# Altium PCB RFSoC-AMC.PcbDoc (part 12 of 12)
Units mm, origin at the board's own origin, x right, y up, seen from the top; angles counter-clockwise.
Board outline 180.55 x 148.45 mm, 10 copper layers (Layer 1, Layer 2, Layer 3, Layer 4, Layer 5, Layer 6, Layer 7, Layer 8, Layer 9, Layer 10), stack 1.544 mm thick; 793 components, 796 nets, 7654 pads, 16 vias.
Unrouted connection lines stored in the file: 2880.
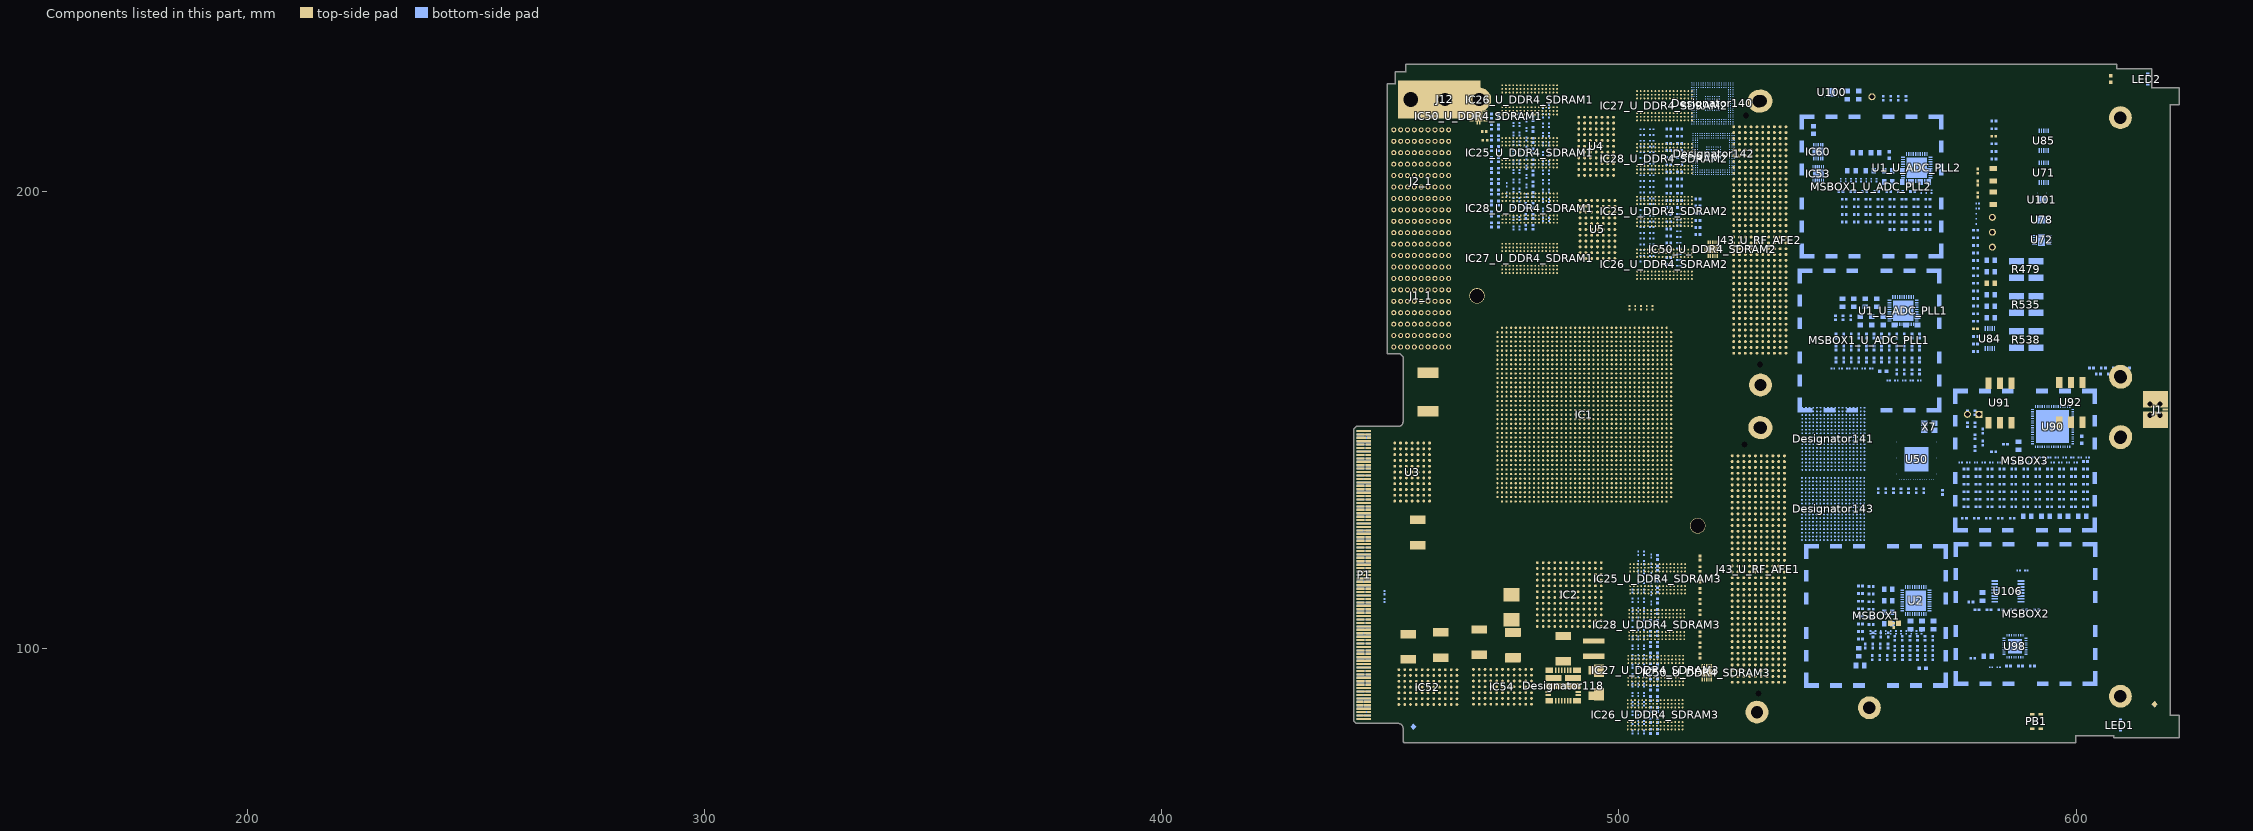
[diagram p20: the components of this part, seen from the top]

## Silkscreen, mask and mechanical layers (free items; w line width, h text height) (continued)
Drill Drawing: (continued)
  text "Rnd 0.203" at 282.113,57.785 h1.27
  text "1771" at 307.925,57.785 h1.27
  text "D" at 190.45,55.245 h1.27
  text "Yes" at 250.106,55.245 h1.27
  text "No" at 264.717,55.245 h1.27
  text "Rnd 0.3" at 283.367,55.245 h1.27
  text "822" at 308.529,55.245 h1.27
  text "E" at 190.45,52.705 h1.27
  text "Yes" at 250.106,52.705 h1.27
  text "No" at 264.717,52.705 h1.27
  text "Rnd 23.62" at 282.113,52.705 h1.27
  text "294" at 308.525,52.705 h1.27
  text "F" at 190.45,50.165 h1.27
  text "+/- 0.0030" at 228.175,50.165 h1.27
  text "Yes" at 250.106,50.165 h1.27
  text "No" at 264.717,50.165 h1.27
  text "Rnd 0.7 +/-Tol 0.07" at 276.285,50.165 h1.27
  text "92" at 309.167,50.165 h1.27
  text "G" at 190.45,47.625 h1.27
  text "Yes" at 250.106,47.625 h1.27
  text "No" at 264.717,47.625 h1.27
  text "Rnd 31.5" at 282.761,47.625 h1.27
  text "24" at 309.167,47.625 h1.27
  text "H" at 190.45,45.085 h1.27
  text "Yes" at 250.106,45.085 h1.27
  text "No" at 264.717,45.085 h1.27
  text "Rnd 39.37" at 282.113,45.085 h1.27
  text "16" at 309.178,45.085 h1.27
  text "J" at 190.45,42.545 h1.27
  text "Yes" at 250.106,42.545 h1.27
  text "No" at 264.717,42.545 h1.27
  text "Rnd 43.31" at 282.134,42.545 h1.27
  text "9" at 309.83,42.545 h1.27
  text "K" at 190.45,40.005 h1.27
  text "Yes" at 250.106,40.005 h1.27
  text "No" at 264.717,40.005 h1.27
  text "Rnd 53.15" at 282.134,40.005 h1.27
  text "4" at 309.83,40.005 h1.27
  text "L" at 190.45,37.465 h1.27
  text "Yes" at 250.106,37.465 h1.27
  text "No" at 264.717,37.465 h1.27
  text "Rnd 59.06" at 282.113,37.465 h1.27
  text "2" at 309.83,37.465 h1.27
  text "M" at 190.45,34.925 h1.27
  text "+/- 0.0039" at 228.175,34.925 h1.27
  text "Yes" at 250.106,34.925 h1.27
  text "No" at 264.717,34.925 h1.27
  text "Rnd 2.55P" at 282.113,34.925 h1.27
  text "20" at 309.167,34.925 h1.27
  text "N" at 190.45,32.385 h1.27
  text "0.1201" at 206.431,32.385 h1.27
  text "+/- 0.0039" at 228.175,32.385 h1.27
  text "Yes" at 250.106,32.385 h1.27
  text "No" at 264.717,32.385 h1.27
  text "Rnd 3.05P" at 282.113,32.385 h1.27
  text "1" at 309.83,32.385 h1.27
  text "P" at 190.45,29.845 h1.27
  text "0.1260" at 206.411,29.845 h1.27
  text "Yes" at 250.106,29.845 h1.27
  text "No" at 264.717,29.845 h1.27
  text "Rnd 125.98" at 281.512,29.845 h1.27
  text "3" at 309.83,29.845 h1.27
  text "R" at 190.45,27.305 h1.27
  text "0.0256" at 206.392,27.305 h1.27
  text "No" at 250.747,27.305 h1.27
  text "No" at 264.717,27.305 h1.27
  text "Rnd 25.59 Non-Plated" at 275.4,27.305 h1.27
  text "1" at 309.83,27.305 h1.27
  text "T" at 190.45,24.765 h1.27
  text "0.0335" at 206.392,24.765 h1.27
  text "No" at 250.747,24.765 h1.27
  text "No" at 264.717,24.765 h1.27
  text "Rnd 33.46 Non-Plated" at 275.4,24.765 h1.27
  text "1" at 309.83,24.765 h1.27
  text "U" at 190.45,22.225 h1.27
  text "0.0354" at 206.392,22.225 h1.27
  text "No" at 250.747,22.225 h1.27
  text "No" at 264.717,22.225 h1.27
  text "V" at 190.45,19.685 h1.27
  text "0.0800" at 206.397,19.685 h1.27
  text "No" at 250.747,19.685 h1.27
  text "No" at 264.717,19.685 h1.27
  text "W" at 190.45,17.145 h1.27
  text "0.1299" at 206.411,17.145 h1.27
  text "+/- 0.0039" at 228.175,17.145 h1.27
  text "No" at 250.747,17.145 h1.27
  text "No" at 264.717,17.145 h1.27
  text "X" at 190.45,14.605 h1.27
  text "0.0630" at 206.392,14.605 h1.27
  text "Yes" at 250.106,14.605 h1.27
  text "No" at 264.717,14.605 h1.27
Bottom Assembly:
  lines w0.1: 311.379,72.894 311.379,74.394 ; 311.379,72.894 321.629,72.894 ; 311.379,72.894 311.379,74.394 ; 311.379,72.894 321.629,72.894 ; 311.379,74.394 321.629,74.394 ; 311.379,74.394 321.629,74.394 ; 321.629,72.894 321.629,74.394 ; 321.629,72.894 321.629,74.394

## Text inside footprints (layer, text, board x,y; h text height)
Designator141: RTM_CON "18" at 554.719,152.954 h0.6 r180; RTM_CON "17" at 554.719,152.154 h0.6 r180; RTM_CON "16" at 554.719,151.354 h0.6 r180; RTM_CON "15" at 554.719,150.554 h0.6 r180; RTM_CON "14" at 554.719,149.754 h0.6 r180; RTM_CON "13" at 554.719,148.954 h0.6 r180; RTM_CON "12" at 554.719,148.154 h0.6 r180; RTM_CON "11" at 554.719,147.354 h0.6 r180; RTM_CON "10" at 554.719,146.554 h0.6 r180; RTM_CON "9" at 554.719,145.754 h0.6 r180; RTM_CON "8" at 554.719,144.954 h0.6 r180; RTM_CON "7" at 554.719,144.154 h0.6 r180; RTM_CON "6" at 554.719,143.354 h0.6 r180; RTM_CON "5" at 554.719,142.554 h0.6 r180; RTM_CON "4" at 554.719,141.754 h0.6 r180; RTM_CON "3" at 554.719,140.954 h0.6 r180; RTM_CON "2" at 554.719,140.154 h0.6 r180; RTM_CON "1" at 554.719,139.354 h0.6 r180; RTM_CON "A" at 553.419,137.604 h0.6 r270; RTM_CON "B" at 552.619,137.604 h0.6 r270; RTM_CON "C" at 551.819,137.604 h0.6 r270; RTM_CON "D" at 551.019,137.604 h0.6 r270; RTM_CON "E" at 550.219,137.604 h0.6 r270; RTM_CON "F" at 549.419,137.604 h0.6 r270; RTM_CON "G" at 548.619,137.604 h0.6 r270; RTM_CON "H" at 547.819,137.604 h0.6 r270; RTM_CON "J" at 547.019,137.604 h0.6 r270; RTM_CON "K" at 546.219,137.604 h0.6 r270; RTM_CON "L" at 545.419,137.604 h0.6 r270; RTM_CON "M" at 544.619,137.604 h0.6 r270; RTM_CON "N" at 543.819,137.604 h0.6 r270; RTM_CON "P" at 543.019,137.604 h0.6 r270; RTM_CON "R" at 542.219,137.604 h0.6 r270; RTM_CON "T" at 541.419,137.604 h0.6 r270; RTM_CON "U" at 540.619,137.604 h0.6 r270; RTM_CON "V" at 539.819,137.604 h0.6 r270
Designator143: RTM_CON "18" at 554.662,137.606 h0.6 r180; RTM_CON "17" at 554.662,136.806 h0.6 r180; RTM_CON "16" at 554.662,136.006 h0.6 r180; RTM_CON "15" at 554.662,135.206 h0.6 r180; RTM_CON "14" at 554.662,134.406 h0.6 r180; RTM_CON "13" at 554.662,133.606 h0.6 r180; RTM_CON "12" at 554.662,132.806 h0.6 r180; RTM_CON "11" at 554.662,132.006 h0.6 r180; RTM_CON "10" at 554.662,131.206 h0.6 r180; RTM_CON "9" at 554.662,130.406 h0.6 r180; RTM_CON "8" at 554.662,129.606 h0.6 r180; RTM_CON "7" at 554.662,128.806 h0.6 r180; RTM_CON "6" at 554.662,128.006 h0.6 r180; RTM_CON "5" at 554.662,127.206 h0.6 r180; RTM_CON "4" at 554.662,126.406 h0.6 r180; RTM_CON "3" at 554.662,125.606 h0.6 r180; RTM_CON "2" at 554.662,124.806 h0.6 r180; RTM_CON "1" at 554.662,124.006 h0.6 r180; RTM_CON "A" at 553.362,122.256 h0.6 r270; RTM_CON "B" at 552.562,122.256 h0.6 r270; RTM_CON "C" at 551.762,122.256 h0.6 r270; RTM_CON "D" at 550.962,122.256 h0.6 r270; RTM_CON "E" at 550.162,122.256 h0.6 r270; RTM_CON "F" at 549.362,122.256 h0.6 r270; RTM_CON "G" at 548.562,122.256 h0.6 r270; RTM_CON "H" at 547.762,122.256 h0.6 r270; RTM_CON "J" at 546.962,122.256 h0.6 r270; RTM_CON "K" at 546.162,122.256 h0.6 r270; RTM_CON "L" at 545.362,122.256 h0.6 r270; RTM_CON "M" at 544.562,122.256 h0.6 r270; RTM_CON "N" at 543.762,122.256 h0.6 r270; RTM_CON "P" at 542.962,122.256 h0.6 r270; RTM_CON "R" at 542.162,122.256 h0.6 r270; RTM_CON "T" at 541.362,122.256 h0.6 r270; RTM_CON "U" at 540.562,122.256 h0.6 r270; RTM_CON "V" at 539.762,122.256 h0.6 r270
IC1: RTM_CON "17" at 495.186,130.694 h0.6 r270; RTM_CON "22" at 490.236,130.694 h0.6 r270; RTM_CON "21" at 491.186,130.694 h0.6 r270; RTM_CON "20" at 492.186,130.694 h0.6 r270; RTM_CON "19" at 493.186,130.694 h0.6 r270; RTM_CON "18" at 494.186,130.694 h0.6 r270; RTM_CON "1" at 511.186,130.694 h0.6 r270; RTM_CON "6" at 506.186,130.694 h0.6 r270; RTM_CON "7" at 505.186,130.694 h0.6 r270; RTM_CON "8" at 504.186,130.694 h0.6 r270; RTM_CON "9" at 503.186,130.694 h0.6 r270; RTM_CON "10" at 502.186,130.694 h0.6 r270; RTM_CON "11" at 501.186,130.694 h0.6 r270; RTM_CON "12" at 500.186,130.694 h0.6 r270; RTM_CON "13" at 499.186,130.694 h0.6 r270; RTM_CON "14" at 498.186,130.694 h0.6 r270; RTM_CON "15" at 497.186,130.694 h0.6 r270; RTM_CON "16" at 496.186,130.694 h0.6 r270; RTM_CON "5" at 507.186,130.694 h0.6 r270; RTM_CON "4" at 508.186,130.694 h0.6 r270; RTM_CON "3" at 509.186,130.694 h0.6 r270; RTM_CON "2" at 510.186,130.694 h0.6 r270; RTM_CON "23" at 489.236,130.694 h0.6 r270; RTM_CON "24" at 488.236,130.694 h0.6 r270; RTM_CON "25" at 487.236,130.694 h0.6 r270; RTM_CON "26" at 486.236,130.694 h0.6 r270; RTM_CON "27" at 485.236,130.694 h0.6 r270; RTM_CON "28" at 484.236,130.694 h0.6 r270; RTM_CON "29" at 483.236,130.694 h0.6 r270; RTM_CON "30" at 482.236,130.694 h0.6 r270; RTM_CON "31" at 481.236,130.694 h0.6 r270; RTM_CON "32" at 480.236,130.694 h0.6 r270; RTM_CON "33" at 479.236,130.694 h0.6 r270; RTM_CON "34" at 478.236,130.694 h0.6 r270; RTM_CON "35" at 477.236,130.694 h0.6 r270; RTM_CON "36" at 476.236,130.694 h0.6 r270; RTM_CON "37" at 475.236,130.694 h0.6 r270; RTM_CON "38" at 474.236,130.694 h0.6 r270; RTM_CON "39" at 473.236,130.694 h0.6 r270; RTM_CON "AP" at 513.836,165.494 h0.6 r180; RTM_CON "AN" at 513.836,164.494 h0.6 r180; RTM_CON "AM" at 513.836,163.494 h0.6 r180; RTM_CON "AL" at 513.836,162.494 h0.6 r180; RTM_CON "AK" at 513.836,161.494 h0.6 r180; RTM_CON "AJ" at 513.836,160.494 h0.6 r180; RTM_CON "AH" at 513.836,159.494 h0.6 r180; RTM_CON "AG" at 513.836,158.494 h0.6 r180; RTM_CON "AF" at 513.836,157.494 h0.6 r180; RTM_CON "AE" at 513.836,156.494 h0.6 r180; RTM_CON "AD" at 513.836,155.494 h0.6 r180; RTM_CON "AC" at 513.836,154.494 h0.6 r180; RTM_CON "A" at 513.336,132.494 h0.6 r180; RTM_CON "B" at 513.336,133.494 h0.6 r180; RTM_CON "C" at 513.336,134.494 h0.6 r180; RTM_CON "D" at 513.336,135.494 h0.6 r180; RTM_CON "E" at 513.336,136.494 h0.6 r180; RTM_CON "F" at 513.336,137.494 h0.6 r180; RTM_CON "G" at 513.336,138.494 h0.6 r180; RTM_CON "H" at 513.336,139.494 h0.6 r180; RTM_CON "J" at 513.336,140.494 h0.6 r180; RTM_CON "K" at 513.336,141.494 h0.6 r180; RTM_CON "L" at 513.336,142.494 h0.6 r180; RTM_CON "M" at 513.336,143.494 h0.6 r180; RTM_CON "N" at 513.336,144.494 h0.6 r180; RTM_CON "P" at 513.336,145.494 h0.6 r180; RTM_CON "R" at 513.336,146.494 h0.6 r180; RTM_CON "T" at 513.336,147.494 h0.6 r180; RTM_CON "U" at 513.336,148.494 h0.6 r180; RTM_CON "V" at 513.336,149.494 h0.6 r180; RTM_CON "W" at 513.336,150.494 h0.6 r180; RTM_CON "Y" at 513.336,151.494 h0.6 r180; RTM_CON "AA" at 513.836,152.494 h0.6 r180; RTM_CON "AB" at 513.836,153.494 h0.6 r180; RTM_CON "AR" at 513.836,166.494 h0.6 r180; RTM_CON "AT" at 513.836,167.494 h0.6 r180; RTM_CON "AU" at 513.836,168.494 h0.6 r180; RTM_CON "AV" at 513.836,169.494 h0.6 r180; RTM_CON "AW" at 513.836,170.494 h0.6 r180
IC2: RTM_CON "9" at 492.201,120.083 h0.4; RTM_CON "1" at 482.041,120.083 h0.4; RTM_CON "2" at 483.311,120.083 h0.4; RTM_CON "3" at 484.581,120.083 h0.4; RTM_CON "4" at 485.851,120.083 h0.4; RTM_CON "5" at 487.121,120.083 h0.4; RTM_CON "6" at 488.391,120.083 h0.4; RTM_CON "7" at 489.661,120.083 h0.4; RTM_CON "8" at 490.931,120.083 h0.4; RTM_CON "10" at 493.471,120.083 h0.4; RTM_CON "11" at 494.741,120.083 h0.4; RTM_CON "12" at 496.011,120.083 h0.4; RTM_CON "F" at 480.652,112.344 h0.4; RTM_CON "E" at 480.652,113.614 h0.4; RTM_CON "D" at 480.652,114.884 h0.4; RTM_CON "G" at 480.652,111.074 h0.4; RTM_CON "C" at 480.652,116.154 h0.4; RTM_CON "B" at 480.652,117.424 h0.4; RTM_CON "A" at 480.652,118.694 h0.4; RTM_CON "H" at 480.652,109.804 h0.4; RTM_CON "I" at 480.727,108.534 h0.4; RTM_CON "J" at 480.598,107.239 h0.4; RTM_CON "K" at 480.598,105.969 h0.4; RTM_CON "L" at 480.598,104.699 h0.4
IC25_U_DDR4_SDRAM1: RTM_CON "T" at 486.693,203.373 h0.4 r90; RTM_CON "J" at 481.093,203.373 h0.4 r90; RTM_CON "R" at 485.893,203.373 h0.4 r90; RTM_CON "P" at 485.093,203.373 h0.4 r90; RTM_CON "N" at 484.293,203.373 h0.4 r90; RTM_CON "B" at 475.493,203.373 h0.4 r90; RTM_CON "C" at 476.293,203.373 h0.4 r90; RTM_CON "D" at 477.093,203.373 h0.4 r90; RTM_CON "E" at 477.893,203.373 h0.4 r90; RTM_CON "F" at 478.693,203.373 h0.4 r90; RTM_CON "G" at 479.493,203.373 h0.4 r90; RTM_CON "H" at 480.293,203.373 h0.4 r90; RTM_CON "M" at 483.493,203.373 h0.4 r90; RTM_CON "K" at 481.893,203.373 h0.4 r90; RTM_CON "L" at 482.693,203.373 h0.4 r90; RTM_CON "9" at 473.218,211.548 h0.4 r90; RTM_CON "8" at 473.218,210.748 h0.4 r90; RTM_CON "7" at 473.218,209.948 h0.4 r90; RTM_CON "3" at 473.218,206.748 h0.4 r90; RTM_CON "2" at 473.218,205.948 h0.4 r90; RTM_CON "1" at 473.218,205.148 h0.4 r90
IC25_U_DDR4_SDRAM2: RTM_CON "T" at 516.18,190.541 h0.4 r90; RTM_CON "J" at 510.58,190.541 h0.4 r90; RTM_CON "R" at 515.38,190.541 h0.4 r90; RTM_CON "P" at 514.58,190.541 h0.4 r90; RTM_CON "N" at 513.78,190.541 h0.4 r90; RTM_CON "B" at 504.98,190.541 h0.4 r90; RTM_CON "C" at 505.78,190.541 h0.4 r90; RTM_CON "D" at 506.58,190.541 h0.4 r90; RTM_CON "E" at 507.38,190.541 h0.4 r90; RTM_CON "F" at 508.18,190.541 h0.4 r90; RTM_CON "G" at 508.98,190.541 h0.4 r90; RTM_CON "H" at 509.78,190.541 h0.4 r90; RTM_CON "M" at 512.98,190.541 h0.4 r90; RTM_CON "K" at 511.38,190.541 h0.4 r90; RTM_CON "L" at 512.18,190.541 h0.4 r90; RTM_CON "9" at 502.705,198.716 h0.4 r90; RTM_CON "8" at 502.705,197.916 h0.4 r90; RTM_CON "7" at 502.705,197.116 h0.4 r90; RTM_CON "3" at 502.705,193.916 h0.4 r90; RTM_CON "2" at 502.705,193.116 h0.4 r90; RTM_CON "1" at 502.705,192.316 h0.4 r90
IC25_U_DDR4_SDRAM3: RTM_CON "T" at 502.288,120.391 h0.4 r270; RTM_CON "J" at 507.888,120.391 h0.4 r270; RTM_CON "R" at 503.088,120.391 h0.4 r270; RTM_CON "P" at 503.888,120.391 h0.4 r270; RTM_CON "N" at 504.688,120.391 h0.4 r270; RTM_CON "B" at 513.488,120.391 h0.4 r270; RTM_CON "C" at 512.688,120.391 h0.4 r270; RTM_CON "D" at 511.888,120.391 h0.4 r270; RTM_CON "E" at 511.088,120.391 h0.4 r270; RTM_CON "F" at 510.288,120.391 h0.4 r270; RTM_CON "G" at 509.488,120.391 h0.4 r270; RTM_CON "H" at 508.688,120.391 h0.4 r270; RTM_CON "M" at 505.488,120.391 h0.4 r270; RTM_CON "K" at 507.088,120.391 h0.4 r270; RTM_CON "L" at 506.288,120.391 h0.4 r270; RTM_CON "9" at 515.763,112.216 h0.4 r270; RTM_CON "8" at 515.763,113.016 h0.4 r270; RTM_CON "7" at 515.763,113.816 h0.4 r270; RTM_CON "3" at 515.763,117.016 h0.4 r270; RTM_CON "2" at 515.763,117.816 h0.4 r270; RTM_CON "1" at 515.763,118.616 h0.4 r270
IC26_U_DDR4_SDRAM1: RTM_CON "1" at 473.218,216.706 h0.4 r90; RTM_CON "2" at 473.218,217.506 h0.4 r90; RTM_CON "3" at 473.218,218.306 h0.4 r90; RTM_CON "7" at 473.218,221.506 h0.4 r90; RTM_CON "8" at 473.218,222.306 h0.4 r90; RTM_CON "9" at 473.218,223.106 h0.4 r90; RTM_CON "L" at 482.693,214.931 h0.4 r90; RTM_CON "K" at 481.893,214.931 h0.4 r90; RTM_CON "M" at 483.493,214.931 h0.4 r90; RTM_CON "H" at 480.293,214.931 h0.4 r90; RTM_CON "G" at 479.493,214.931 h0.4 r90; RTM_CON "F" at 478.693,214.931 h0.4 r90; RTM_CON "E" at 477.893,214.931 h0.4 r90; RTM_CON "D" at 477.093,214.931 h0.4 r90; RTM_CON "C" at 476.293,214.931 h0.4 r90; RTM_CON "B" at 475.493,214.931 h0.4 r90; RTM_CON "N" at 484.293,214.931 h0.4 r90; RTM_CON "P" at 485.093,214.931 h0.4 r90; RTM_CON "R" at 485.893,214.931 h0.4 r90; RTM_CON "J" at 481.093,214.931 h0.4 r90; RTM_CON "T" at 486.693,214.931 h0.4 r90
IC26_U_DDR4_SDRAM2: RTM_CON "T" at 516.18,178.983 h0.4 r90; RTM_CON "J" at 510.58,178.983 h0.4 r90; RTM_CON "R" at 515.38,178.983 h0.4 r90; RTM_CON "P" at 514.58,178.983 h0.4 r90; RTM_CON "N" at 513.78,178.983 h0.4 r90; RTM_CON "B" at 504.98,178.983 h0.4 r90; RTM_CON "C" at 505.78,178.983 h0.4 r90; RTM_CON "D" at 506.58,178.983 h0.4 r90; RTM_CON "E" at 507.38,178.983 h0.4 r90; RTM_CON "F" at 508.18,178.983 h0.4 r90; RTM_CON "G" at 508.98,178.983 h0.4 r90; RTM_CON "H" at 509.78,178.983 h0.4 r90; RTM_CON "M" at 512.98,178.983 h0.4 r90; RTM_CON "K" at 511.38,178.983 h0.4 r90; RTM_CON "L" at 512.18,178.983 h0.4 r90; RTM_CON "9" at 502.705,187.158 h0.4 r90; RTM_CON "8" at 502.705,186.358 h0.4 r90; RTM_CON "7" at 502.705,185.558 h0.4 r90; RTM_CON "3" at 502.705,182.358 h0.4 r90; RTM_CON "2" at 502.705,181.558 h0.4 r90; RTM_CON "1" at 502.705,180.758 h0.4 r90
IC26_U_DDR4_SDRAM3: RTM_CON "T" at 501.735,90.647 h0.4 r270; RTM_CON "J" at 507.335,90.647 h0.4 r270; RTM_CON "R" at 502.535,90.647 h0.4 r270; RTM_CON "P" at 503.335,90.647 h0.4 r270; RTM_CON "N" at 504.135,90.647 h0.4 r270; RTM_CON "B" at 512.935,90.647 h0.4 r270; RTM_CON "C" at 512.135,90.647 h0.4 r270; RTM_CON "D" at 511.335,90.647 h0.4 r270; RTM_CON "E" at 510.535,90.647 h0.4 r270; RTM_CON "F" at 509.735,90.647 h0.4 r270; RTM_CON "G" at 508.935,90.647 h0.4 r270; RTM_CON "H" at 508.135,90.647 h0.4 r270; RTM_CON "M" at 504.935,90.647 h0.4 r270; RTM_CON "K" at 506.535,90.647 h0.4 r270; RTM_CON "L" at 505.735,90.647 h0.4 r270; RTM_CON "9" at 515.21,82.472 h0.4 r270; RTM_CON "8" at 515.21,83.272 h0.4 r270; RTM_CON "7" at 515.21,84.072 h0.4 r270; RTM_CON "3" at 515.21,87.272 h0.4 r270; RTM_CON "2" at 515.21,88.072 h0.4 r270; RTM_CON "1" at 515.21,88.872 h0.4 r270
IC27_U_DDR4_SDRAM1: RTM_CON "T" at 486.693,180.257 h0.4 r90; RTM_CON "J" at 481.093,180.257 h0.4 r90; RTM_CON "R" at 485.893,180.257 h0.4 r90; RTM_CON "P" at 485.093,180.257 h0.4 r90; RTM_CON "N" at 484.293,180.257 h0.4 r90; RTM_CON "B" at 475.493,180.257 h0.4 r90; RTM_CON "C" at 476.293,180.257 h0.4 r90; RTM_CON "D" at 477.093,180.257 h0.4 r90; RTM_CON "E" at 477.893,180.257 h0.4 r90; RTM_CON "F" at 478.693,180.257 h0.4 r90; RTM_CON "G" at 479.493,180.257 h0.4 r90; RTM_CON "H" at 480.293,180.257 h0.4 r90; RTM_CON "M" at 483.493,180.257 h0.4 r90; RTM_CON "K" at 481.893,180.257 h0.4 r90; RTM_CON "L" at 482.693,180.257 h0.4 r90; RTM_CON "9" at 473.218,188.432 h0.4 r90; RTM_CON "8" at 473.218,187.632 h0.4 r90; RTM_CON "7" at 473.218,186.832 h0.4 r90; RTM_CON "3" at 473.218,183.632 h0.4 r90; RTM_CON "2" at 473.218,182.832 h0.4 r90; RTM_CON "1" at 473.218,182.032 h0.4 r90
IC27_U_DDR4_SDRAM2: RTM_CON "1" at 502.705,215.432 h0.4 r90; RTM_CON "2" at 502.705,216.232 h0.4 r90; RTM_CON "3" at 502.705,217.032 h0.4 r90; RTM_CON "7" at 502.705,220.232 h0.4 r90; RTM_CON "8" at 502.705,221.032 h0.4 r90; RTM_CON "9" at 502.705,221.832 h0.4 r90; RTM_CON "L" at 512.18,213.657 h0.4 r90; RTM_CON "K" at 511.38,213.657 h0.4 r90; RTM_CON "M" at 512.98,213.657 h0.4 r90; RTM_CON "H" at 509.78,213.657 h0.4 r90; RTM_CON "G" at 508.98,213.657 h0.4 r90; RTM_CON "F" at 508.18,213.657 h0.4 r90; RTM_CON "E" at 507.38,213.657 h0.4 r90; RTM_CON "D" at 506.58,213.657 h0.4 r90; RTM_CON "C" at 505.78,213.657 h0.4 r90; RTM_CON "B" at 504.98,213.657 h0.4 r90; RTM_CON "N" at 513.78,213.657 h0.4 r90; RTM_CON "P" at 514.58,213.657 h0.4 r90; RTM_CON "R" at 515.38,213.657 h0.4 r90; RTM_CON "J" at 510.58,213.657 h0.4 r90; RTM_CON "T" at 516.18,213.657 h0.4 r90
IC27_U_DDR4_SDRAM3: RTM_CON "T" at 501.856,100.355 h0.4 r270; RTM_CON "J" at 507.456,100.355 h0.4 r270; RTM_CON "R" at 502.656,100.355 h0.4 r270; RTM_CON "P" at 503.456,100.355 h0.4 r270; RTM_CON "N" at 504.256,100.355 h0.4 r270; RTM_CON "B" at 513.056,100.355 h0.4 r270; RTM_CON "C" at 512.256,100.355 h0.4 r270; RTM_CON "D" at 511.456,100.355 h0.4 r270; RTM_CON "E" at 510.656,100.355 h0.4 r270; RTM_CON "F" at 509.856,100.355 h0.4 r270; RTM_CON "G" at 509.056,100.355 h0.4 r270; RTM_CON "H" at 508.256,100.355 h0.4 r270; RTM_CON "M" at 505.056,100.355 h0.4 r270; RTM_CON "K" at 506.656,100.355 h0.4 r270; RTM_CON "L" at 505.856,100.355 h0.4 r270; RTM_CON "9" at 515.331,92.18 h0.4 r270; RTM_CON "8" at 515.331,92.98 h0.4 r270; RTM_CON "7" at 515.331,93.78 h0.4 r270; RTM_CON "3" at 515.331,96.98 h0.4 r270; RTM_CON "2" at 515.331,97.78 h0.4 r270; RTM_CON "1" at 515.331,98.58 h0.4 r270
IC28_U_DDR4_SDRAM1: RTM_CON "1" at 473.264,193.017 h0.4 r90; RTM_CON "2" at 473.264,193.817 h0.4 r90; RTM_CON "3" at 473.264,194.617 h0.4 r90; RTM_CON "7" at 473.264,197.817 h0.4 r90; RTM_CON "8" at 473.264,198.617 h0.4 r90; RTM_CON "9" at 473.264,199.417 h0.4 r90; RTM_CON "L" at 482.739,191.242 h0.4 r90; RTM_CON "K" at 481.939,191.242 h0.4 r90; RTM_CON "M" at 483.539,191.242 h0.4 r90; RTM_CON "H" at 480.339,191.242 h0.4 r90; RTM_CON "G" at 479.539,191.242 h0.4 r90; RTM_CON "F" at 478.739,191.242 h0.4 r90; RTM_CON "E" at 477.939,191.242 h0.4 r90; RTM_CON "D" at 477.139,191.242 h0.4 r90; RTM_CON "C" at 476.339,191.242 h0.4 r90; RTM_CON "B" at 475.539,191.242 h0.4 r90; RTM_CON "N" at 484.339,191.242 h0.4 r90; RTM_CON "P" at 485.139,191.242 h0.4 r90; RTM_CON "R" at 485.939,191.242 h0.4 r90; RTM_CON "J" at 481.139,191.242 h0.4 r90; RTM_CON "T" at 486.739,191.242 h0.4 r90
IC28_U_DDR4_SDRAM2: RTM_CON "T" at 516.18,202.099 h0.4 r90; RTM_CON "J" at 510.58,202.099 h0.4 r90; RTM_CON "R" at 515.38,202.099 h0.4 r90; RTM_CON "P" at 514.58,202.099 h0.4 r90; RTM_CON "N" at 513.78,202.099 h0.4 r90; RTM_CON "B" at 504.98,202.099 h0.4 r90; RTM_CON "C" at 505.78,202.099 h0.4 r90; RTM_CON "D" at 506.58,202.099 h0.4 r90; RTM_CON "E" at 507.38,202.099 h0.4 r90; RTM_CON "F" at 508.18,202.099 h0.4 r90; RTM_CON "G" at 508.98,202.099 h0.4 r90; RTM_CON "H" at 509.78,202.099 h0.4 r90; RTM_CON "M" at 512.98,202.099 h0.4 r90; RTM_CON "K" at 511.38,202.099 h0.4 r90; RTM_CON "L" at 512.18,202.099 h0.4 r90; RTM_CON "9" at 502.705,210.274 h0.4 r90; RTM_CON "8" at 502.705,209.474 h0.4 r90; RTM_CON "7" at 502.705,208.674 h0.4 r90; RTM_CON "3" at 502.705,205.474 h0.4 r90; RTM_CON "2" at 502.705,204.674 h0.4 r90; RTM_CON "1" at 502.705,203.874 h0.4 r90
IC28_U_DDR4_SDRAM3: RTM_CON "T" at 502.085,110.355 h0.4 r270; RTM_CON "J" at 507.685,110.355 h0.4 r270; RTM_CON "R" at 502.885,110.355 h0.4 r270; RTM_CON "P" at 503.685,110.355 h0.4 r270; RTM_CON "N" at 504.485,110.355 h0.4 r270; RTM_CON "B" at 513.285,110.355 h0.4 r270; RTM_CON "C" at 512.485,110.355 h0.4 r270; RTM_CON "D" at 511.685,110.355 h0.4 r270; RTM_CON "E" at 510.885,110.355 h0.4 r270; RTM_CON "F" at 510.085,110.355 h0.4 r270; RTM_CON "G" at 509.285,110.355 h0.4 r270; RTM_CON "H" at 508.485,110.355 h0.4 r270; RTM_CON "M" at 505.285,110.355 h0.4 r270; RTM_CON "K" at 506.885,110.355 h0.4 r270; RTM_CON "L" at 506.085,110.355 h0.4 r270; RTM_CON "9" at 515.56,102.18 h0.4 r270; RTM_CON "8" at 515.56,102.98 h0.4 r270; RTM_CON "7" at 515.56,103.78 h0.4 r270; RTM_CON "3" at 515.56,106.98 h0.4 r270; RTM_CON "2" at 515.56,107.78 h0.4 r270; RTM_CON "1" at 515.56,108.58 h0.4 r270
J1_1: Top Overlay "A10" at 448.071,188.829 h1.1 r180; Top Overlay "A1" at 447.721,166.889 h1.1 r180; RTM_CON "A10" at 449.296,189.029 h1.1 r180; RTM_CON "A1" at 449.396,166.904 h1.1 r180; Drill Drawing "PRESS-FIT TECHNOLOGY" at 464.021,185.779 h1 r270; Drill Drawing "diam. 0.6mm +0.06 -0" at 447.771,186.229 h1 r270; User Layer 17 "PCB Edge" at 447.906,181.179 h1 r270
J2_1: Top Overlay "A1" at 448.031,191.959 h1.1 r180; Top Overlay "A10" at 448.101,213.939 h1.1 r180; RTM_CON "A1" at 449.396,191.904 h1.1 r180; RTM_CON "A10" at 449.296,214.029 h1.1 r180; Drill Drawing "diam. 0.6mm +0.06 -0" at 447.771,211.229 h1 r270; Drill Drawing "PRESS-FIT TECHNOLOGY" at 464.021,210.779 h1 r270; User Layer 17 "PCB Edge" at 447.906,206.179 h1 r270
J12: User Layer 17 "PCB Edge" at 447.356,223.629 h1 r270
J43_U_RF_AFE1: Top Overlay "1" at 522.432,92.007 h1; Top Overlay "40" at 523.454,144.549 h1 r270; Top Overlay "k" at 524.591,87.435 h1; Top Overlay "j" at 525.734,87.562 h1; Top Overlay "g" at 528.274,87.562 h1; Top Overlay "h" at 526.948,87.452 h1; Top Overlay "f" at 529.544,87.308 h1; Top Overlay "a" at 535.965,87.452 h1; Top Overlay "b" at 534.695,87.452 h1; Top Overlay "c" at 533.425,87.452 h1; Top Overlay "d" at 532.049,87.435 h1; Top Overlay "e" at 530.811,87.475 h1; RTM_CON "1" at 522.432,92.007 h1; RTM_CON "40" at 523.454,144.549 h1 r270; RTM_CON "k" at 524.591,87.435 h1; RTM_CON "j" at 525.734,87.562 h1; RTM_CON "g" at 528.274,87.562 h1; RTM_CON "h" at 526.948,87.452 h1; RTM_CON "f" at 529.544,87.308 h1; RTM_CON "e" at 530.811,87.475 h1; RTM_CON "d" at 532.049,87.435 h1; RTM_CON "c" at 533.425,87.452 h1; RTM_CON "b" at 534.695,87.452 h1; RTM_CON "a" at 535.965,87.452 h1
J43_U_RF_AFE2: Top Overlay "1" at 522.762,163.965 h1; Top Overlay "40" at 523.785,216.507 h1 r270; Top Overlay "k" at 524.921,159.393 h1; Top Overlay "j" at 526.064,159.52 h1; Top Overlay "g" at 528.604,159.52 h1; Top Overlay "h" at 527.279,159.41 h1; Top Overlay "f" at 529.874,159.266 h1; Top Overlay "a" at 536.296,159.41 h1; Top Overlay "b" at 535.026,159.41 h1; Top Overlay "c" at 533.756,159.41 h1; Top Overlay "d" at 532.379,159.393 h1; Top Overlay "e" at 531.141,159.433 h1; RTM_CON "1" at 522.762,163.965 h1; RTM_CON "40" at 523.785,216.507 h1 r270; RTM_CON "k" at 524.921,159.393 h1; RTM_CON "j" at 526.064,159.52 h1; RTM_CON "g" at 528.604,159.52 h1; RTM_CON "h" at 527.279,159.41 h1; RTM_CON "f" at 529.874,159.266 h1; RTM_CON "e" at 531.141,159.433 h1; RTM_CON "d" at 532.379,159.393 h1; RTM_CON "c" at 533.756,159.41 h1; RTM_CON "b" at 535.026,159.41 h1; RTM_CON "a" at 536.296,159.41 h1
R479: Bottom Overlay "V2" at 593.546,185.232 h0.79 r180; Bottom Overlay "V1" at 593.419,180.66 h0.79 r180; Bottom Overlay "I2" at 586.434,186.883 h0.79 r180; Bottom Overlay "I1" at 583.64,181.295 h0.79 r180
R535: Bottom Overlay "V2" at 593.546,177.554 h0.79 r180; Bottom Overlay "V1" at 593.419,172.982 h0.79 r180; Bottom Overlay "I2" at 586.434,179.205 h0.79 r180; Bottom Overlay "I1" at 583.64,173.617 h0.79 r180
R538: Bottom Overlay "V2" at 593.546,169.875 h0.79 r180; Bottom Overlay "V1" at 593.419,165.303 h0.79 r180; Bottom Overlay "I2" at 586.434,171.526 h0.79 r180; Bottom Overlay "I1" at 583.64,165.938 h0.79 r180
U1_U_ADC_PLL1: Bottom Overlay "31" at 557.983,176.351 h0.79 r270; Bottom Overlay "21" at 558.11,170.382 h0.79 r270; Bottom Overlay "11" at 564.968,169.366 h0.79 r270
U1_U_ADC_PLL2: Bottom Overlay "31" at 567.575,209.417 h0.79 r180; Bottom Overlay "21" at 561.606,209.29 h0.79 r180; Bottom Overlay "11" at 560.59,202.432 h0.79 r180
U2: Bottom Overlay "31" at 562.537,106.335 h0.79; Bottom Overlay "21" at 568.506,106.462 h0.79; Bottom Overlay "11" at 569.522,113.32 h0.79
U98: Bottom Overlay "9" at 589.359,97.916 h0.79 r90; Bottom Overlay "17" at 583.796,98.5 h0.79 r90; Bottom Overlay "25" at 585.091,104.673 h0.79 r90; Bottom Overlay "32" at 588.774,104.698 h0.79 r90
X7: Bottom Overlay "4" at 570.934,149.161 h0.79; Bottom Overlay "3" at 565.676,149.288 h0.79; Bottom Overlay "2" at 565.701,146.317 h0.79; Bottom Overlay "1" at 569.511,145.606 h0.79